# KiCad board led_mapper_850.kicad_pcb (continued)
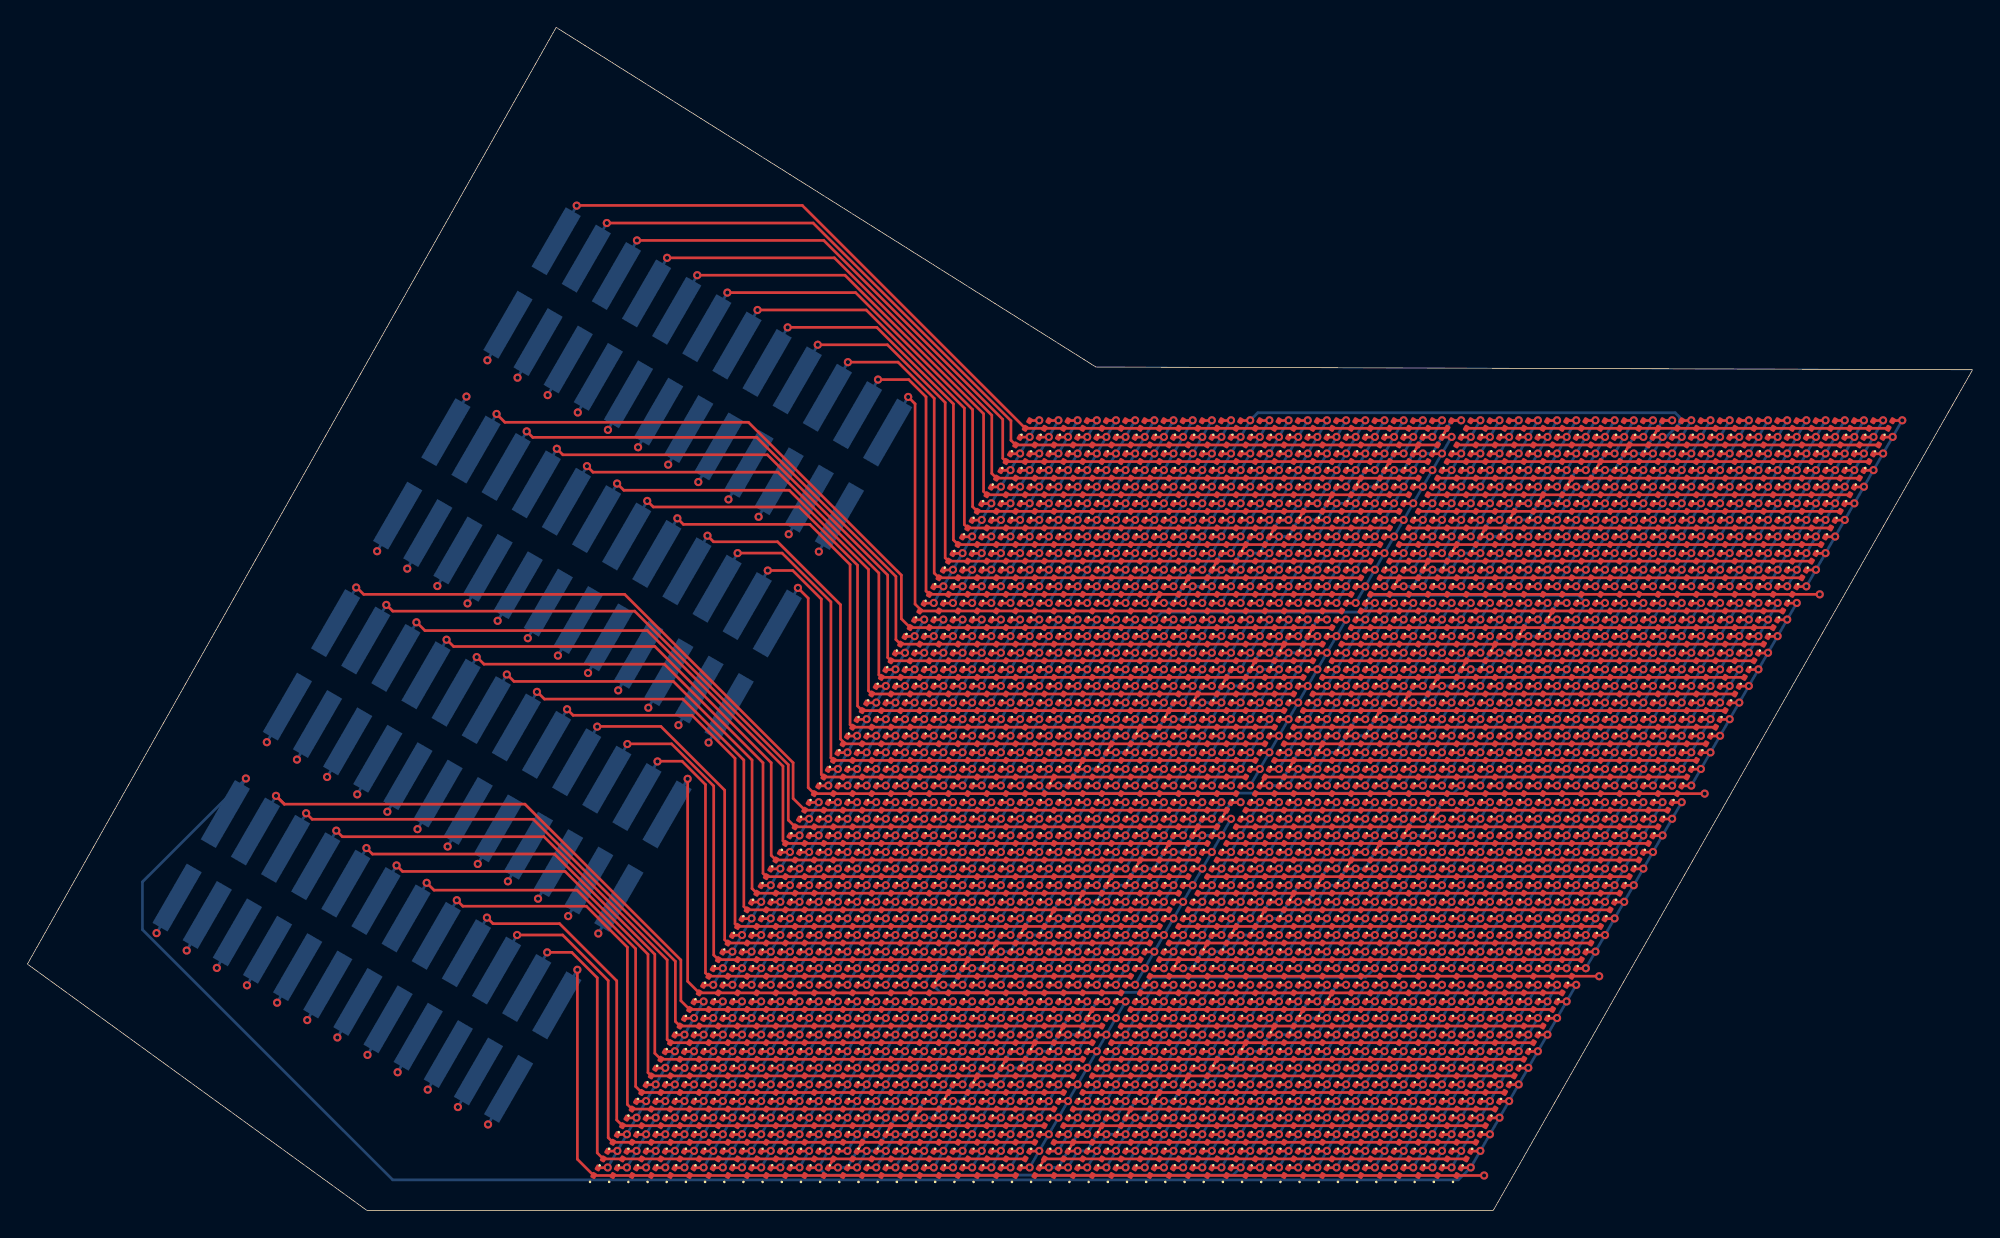
[diagram p0: board, top side]
## Routing (per net, layer and track width the routed paths; a pad name or vN(x,y) marks a point on that pad's centre or on a via; arc(x,y) is an arc through that point) (continued)
/network1/P05: length 141.1
  Top w0.2: v1(104.66,48.01) D395.2 D349.1 ; D304.2 v1(107.46,50.43) ; D465.2 v1(72.46,45.58) ; D189.2 v1(76.66,52.86) ; D212.2 v1(108.86,52.86) ; D74.2 v1(110.96,56.5) ; D143.2 v1(77.36,54.07) ; D120.2 v1(110.26,55.28) ; D487.2 v1(103.26,45.58) ; D28.2 v1(111.66,57.71) ; D327.2 v1(74.56,49.22) ; D373.2 v1(73.86,48.01) ; D419.2 v1(73.16,46.8) ; D235.2 v1(75.96,51.65) ; D346.1 D368.1 ; D97.2 v1(78.06,55.28) ; D258.2 v1(108.16,51.65) ; D166.2 v1(109.56,54.07) ; D511.2 v1(71.76,44.37) ; D281.2 v1(75.26,50.43) ; D51.2 v1(78.76,56.5) ; D5.2 v1(79.46,57.71) ; D441.2 v1(103.96,46.8)
  In1.Cu w0.2: v1(76.66,52.86) 77.01,53.47 108.51,53.47 v1(108.86,52.86) ; v1(71.76,44.37) 71.2,44.37 70.21,45.36 70.21,45.87 69.51,46.57 69.51,47.08 68.81,47.78 68.81,48.24 63.85,53.2 v1(48.98,53.2)
  Bottom w0.2: v1(111.66,57.71) v1(107.46,50.43) 106.76,50.43 105.36,48.01 v1(104.66,48.01) v1(103.26,45.58) ; v1(79.46,57.71) v1(71.76,44.37) ; J1.5 v1(48.98,53.2)
/network1/P06: length 145.5
  Top w0.2: D466.2 v1(73.86,45.58) ; D6.2 v1(80.86,57.71) ; D75.2 v1(112.36,56.5) ; D488.2 v1(104.66,45.58) ; D282.2 v1(76.66,50.43) ; D512.2 v1(73.16,44.37) ; D167.2 v1(110.96,54.07) ; D259.2 v1(109.56,51.65) ; D300.1 D322.1 ; D52.2 v1(80.16,56.5) ; D442.2 v1(105.36,46.8) ; v1(106.76,49.22) D350.2 D304.1 ; D420.2 v1(74.56,46.8) ; D213.2 v1(110.26,52.86) ; D328.2 v1(75.96,49.22) ; D29.2 v1(113.06,57.71) ; D144.2 v1(78.76,54.07) ; D98.2 v1(79.46,55.28) ; D374.2 v1(75.26,48.01) ; D236.2 v1(77.36,51.65) ; D190.2 v1(78.06,52.86) ; D396.2 v1(106.06,48.01) ; D121.2 v1(111.66,55.28)
  In1.Cu w0.2: v1(46.78,54.47) 64.49,54.47 69.51,49.45 69.51,48.99 70.21,48.29 70.21,47.78 70.91,47.08 70.91,46.57 71.61,45.87 71.61,45.36 72.6,44.37 v1(73.16,44.37) ; v1(109.56,51.65) 109.21,52.25 77.71,52.25 v1(77.36,51.65)
  Bottom w0.2: v1(80.86,57.71) v1(73.16,44.37) ; v1(113.06,57.71) v1(109.56,51.65) 108.86,51.65 107.46,49.22 v1(106.76,49.22) v1(104.66,45.58) ; J1.6 v1(46.78,54.47)
/network1/P07: length 148.6
  Top w0.2: D467.2 v1(75.26,45.58) ; D214.2 v1(111.66,52.86) ; D283.2 v1(78.06,50.43) ; v1(108.86,50.43) D305.2 D259.1 ; D30.2 v1(114.46,57.71) ; D99.2 v1(80.86,55.28) ; D53.2 v1(81.56,56.5) ; D254.1 D276.1 ; D168.2 v1(112.36,54.07) ; D397.2 v1(107.46,48.01) ; D122.2 v1(113.06,55.28) ; D421.2 v1(75.96,46.8) ; D7.2 v1(82.26,57.71) ; D489.2 v1(106.06,45.58) ; D443.2 v1(106.76,46.8) ; D237.2 v1(78.76,51.65) ; D191.2 v1(79.46,52.86) ; D375.2 v1(76.66,48.01) ; D513.2 v1(74.56,44.37) ; D329.2 v1(77.36,49.22) ; D351.2 v1(108.16,49.22) ; D76.2 v1(113.76,56.5) ; D145.2 v1(80.16,54.07)
  In1.Cu w0.2: v1(44.58,55.74) 65.46,55.74 70.4,50.8 70.4,50.32 71.2,49.52 71.2,49.01 71.91,48.29 71.91,47.78 72.4,47.3 72.4,46.78 73.01,46.17 73.01,45.59 74.23,44.37 v1(74.56,44.37) ; v1(108.86,50.43) 108.51,51.04 78.41,51.04 v1(78.06,50.43)
  Bottom w0.2: v1(106.06,45.58) v1(108.86,50.43) 109.56,50.43 110.96,52.86 v1(111.66,52.86) v1(114.46,57.71) ; J1.7 v1(44.58,55.74) ; v1(82.26,57.71) v1(74.56,44.37)
/network1/P08: length 152.8
  Top w0.2: D146.2 v1(81.56,54.07) ; v1(110.96,51.65) D260.2 D214.1 ; D31.2 v1(115.86,57.71) ; D192.2 v1(80.86,52.86) ; D284.2 v1(79.46,50.43) ; D306.2 v1(110.26,50.43) ; D490.2 v1(107.46,45.58) ; D468.2 v1(76.66,45.58) ; D444.2 v1(108.16,46.8) ; D398.2 v1(108.86,48.01) ; D330.2 v1(78.76,49.22) ; D238.2 v1(80.16,51.65) ; D54.2 v1(82.96,56.5) ; D169.2 v1(113.76,54.07) ; D8.2 v1(83.66,57.71) ; D376.2 v1(78.06,48.01) ; D77.2 v1(115.16,56.5) ; D208.1 D230.1 ; D100.2 v1(82.26,55.28) ; D352.2 v1(109.56,49.22) ; D422.2 v1(77.36,46.8) ; D123.2 v1(114.46,55.28) ; D514.2 v1(75.96,44.37)
  In1.Cu w0.2: v1(109.56,49.22) 109.21,49.83 79.11,49.83 v1(78.76,49.22) ; v1(42.38,57.01) 65.78,57.01 71.2,51.59 71.2,51.4 71.61,50.99 71.61,50.21 72.45,49.37 72.45,48.8 73.01,48.24 73.01,48 73.8,47.21 73.8,46.78 74.6,45.98 74.6,45.47 75.7,44.37 v1(75.96,44.37)
  Bottom w0.2: J1.8 v1(42.38,57.01) ; v1(115.86,57.71) v1(113.76,54.07) 113.06,54.07 111.66,51.65 v1(110.96,51.65) v1(107.46,45.58) ; v1(83.66,57.71) v1(75.96,44.37)
/network1/P09: length 157.3
  Top w0.2: D399.2 v1(110.26,48.01) ; D331.2 v1(80.16,49.22) ; D469.2 v1(78.06,45.58) ; D445.2 v1(109.56,46.8) ; D147.2 v1(82.96,54.07) ; D423.2 v1(78.76,46.8) ; D124.2 v1(115.86,55.28) ; D515.2 v1(77.36,44.37) ; D307.2 v1(111.66,50.43) ; D162.1 D184.1 ; D285.2 v1(80.86,50.43) ; D32.2 v1(117.26,57.71) ; D377.2 v1(79.46,48.01) ; D239.2 v1(81.56,51.65) ; v1(113.06,52.86) D215.2 D169.1 ; D78.2 v1(116.56,56.5) ; D353.2 v1(110.96,49.22) ; D9.2 v1(85.06,57.71) ; D193.2 v1(82.26,52.86) ; D491.2 v1(108.86,45.58) ; D101.2 v1(83.66,55.28) ; D55.2 v1(84.36,56.5) ; D261.2 v1(112.36,51.65)
  In1.Cu w0.2: v1(110.26,48.01) 109.91,48.62 79.81,48.62 v1(79.46,48.01) ; v1(40.18,58.28) 66.52,58.28 71.91,52.89 71.91,52.63 72.4,52.15 72.4,51.63 73.2,50.83 73.2,50.32 73.8,49.72 73.8,49.21 74.6,48.41 74.6,47.9 75.14,47.36 75.14,46.79 76.11,45.81 76.11,45.36 76.55,44.92 76.81,44.92 v1(77.36,44.37)
  Bottom w0.2: v1(108.86,45.58) v1(113.06,52.86) 113.76,52.86 115.16,55.28 v1(115.86,55.28) v1(117.26,57.71) ; J1.9 v1(40.18,58.28) ; v1(85.06,57.71) v1(77.36,44.37)
/network1/P10: length 162.4
  Top w0.2: v1(115.16,54.07) D170.2 D124.1 ; D378.2 v1(80.86,48.01) ; D492.2 v1(110.26,45.58) ; D470.2 v1(79.46,45.58) ; D262.2 v1(113.76,51.65) ; D286.2 v1(82.26,50.43) ; D446.2 v1(110.96,46.8) ; D10.2 v1(86.46,57.71) ; D400.2 v1(111.66,48.01) ; D332.2 v1(81.56,49.22) ; D240.2 v1(82.96,51.65) ; D116.1 D138.1 ; D308.2 v1(113.06,50.43) ; D216.2 v1(114.46,52.86) ; D354.2 v1(112.36,49.22) ; D516.2 v1(78.76,44.37) ; D102.2 v1(85.06,55.28) ; D424.2 v1(80.16,46.8) ; D148.2 v1(84.36,54.07) ; D33.2 v1(118.66,57.71) ; D56.2 v1(85.76,56.5) ; D79.2 v1(117.96,56.5) ; D194.2 v1(83.66,52.86)
  In1.Cu w0.2: v1(37.98,59.55) 38.56,60.13 66.67,60.13 72.4,54.4 72.4,54.06 73.2,53.26 73.2,52.75 74,51.95 74,51.43 74.6,50.83 74.6,50 75.11,49.49 75.11,49.29 76.11,48.29 76.11,47.78 76.7,47.2 76.7,46.33 77.21,45.81 77.21,45.39 78.23,44.37 v1(78.76,44.37) ; v1(80.16,46.8) 80.51,47.4 110.61,47.4 v1(110.96,46.8)
  Bottom w0.2: v1(86.46,57.71) v1(78.76,44.37) ; v1(118.66,57.71) v1(117.96,56.5) 117.26,56.5 115.86,54.07 v1(115.16,54.07) v1(110.26,45.58) ; J1.10 v1(37.98,59.55)
/network1/P11: length 166.8
  Top w0.2: D103.2 v1(86.46,55.28) ; D401.2 v1(113.06,48.01) ; D517.2 v1(80.16,44.37) ; D263.2 v1(115.16,51.65) ; D287.2 v1(83.66,50.43) ; D195.2 v1(85.06,52.86) ; v1(117.26,55.28) D125.2 D79.1 ; D11.2 v1(87.86,57.71) ; D171.2 v1(116.56,54.07) ; D471.2 v1(80.86,45.58) ; D57.2 v1(87.16,56.5) ; D493.2 v1(111.66,45.58) ; D149.2 v1(85.76,54.07) ; D70.1 D92.1 ; D447.2 v1(112.36,46.8) ; D217.2 v1(115.86,52.86) ; D309.2 v1(114.46,50.43) ; D241.2 v1(84.36,51.65) ; D333.2 v1(82.96,49.22) ; D34.2 v1(120.06,57.71) ; D425.2 v1(81.56,46.8) ; D355.2 v1(113.76,49.22) ; D379.2 v1(82.26,48.01)
  In1.Cu w0.2: v1(35.78,60.82) 36.36,61.4 67.48,61.4 73.01,55.87 73.01,55.19 73.8,54.4 73.8,54.06 74.6,53.26 74.6,52.69 75.41,51.87 75.41,51.42 76.11,50.72 76.11,49.85 76.51,49.45 76.51,49.09 77.21,48.39 77.21,48.08 78.14,47.16 78.14,46.64 78.91,45.87 78.91,45.36 79.9,44.37 v1(80.16,44.37) ; v1(80.86,45.58) 81.21,46.19 111.31,46.19 v1(111.66,45.58)
  Bottom w0.2: v1(120.06,57.71) 119.36,57.71 117.96,55.28 v1(117.26,55.28) v1(111.66,45.58) ; v1(87.86,57.71) v1(80.16,44.37) ; J1.11 v1(35.78,60.82)
/network1/P12: length 202.1
  Top w0.2: D402.2 v1(114.46,48.01) ; D448.2 v1(113.76,46.8) ; D264.2 v1(116.56,51.65) ; D12.2 v1(89.26,57.71) ; D518.2 v1(81.56,44.37) ; D334.2 v1(84.36,49.22) ; D242.2 v1(85.76,51.65) ; D218.2 v1(117.26,52.86) ; D126.2 v1(118.66,55.28) ; D288.2 v1(85.06,50.43) ; D426.2 v1(82.96,46.8) ; D494.2 v1(113.06,45.58) ; D24.1 D46.1 ; D150.2 v1(87.16,54.07) ; D104.2 v1(87.86,55.28) ; D380.2 v1(83.66,48.01) ; D172.2 v1(117.96,54.07) ; D58.2 v1(88.56,56.5) ; v1(119.36,56.5) D80.2 D34.1 ; D310.2 v1(115.86,50.43) ; D196.2 v1(86.46,52.86) ; D356.2 v1(115.16,49.22) ; D472.2 v1(82.26,45.58)
  In1.Cu w0.2: v1(81.56,44.37) 81.3,44.37 80.31,45.36 80.31,45.87 79.61,46.57 79.61,47.08 78.61,48.08 78.61,48.59 78.21,48.99 78.21,49.51 77.51,50.21 77.51,50.72 76.81,51.42 76.81,51.93 76.11,52.63 76.11,53.14 75.41,53.84 75.41,54.3 74.65,55.06 74.65,55.63 74.01,56.27 74.01,56.59 67.93,62.67 34.16,62.67 v1(33.58,62.09) ; v1(113.06,45.58) 112.71,44.98 82.61,44.98 v1(82.26,45.58)
  Bottom w0.2: v1(113.06,45.58) v1(119.36,56.5) 119.63,56.5 120.61,57.48 120.61,57.94 120.29,58.26 89.81,58.26 v1(89.26,57.71) v1(81.56,44.37) ; J1.12 v1(33.58,62.09)
/network1/P13: length 152.1
  Top w0.2: D449.2 v1(115.16,46.8) ; D105.2 v1(89.26,55.28) ; D529.1 65.3,43.79 64.8,44.29 64.8,58.91 v1(64.3,59.41) ; D403.2 v1(115.86,48.01) ; D265.2 v1(117.96,51.65) ; D173.2 v1(119.36,54.07) ; D151.2 v1(88.56,54.07) ; D381.2 v1(85.06,48.01) ; D59.2 v1(89.96,56.5) ; D289.2 v1(86.46,50.43) ; D335.2 v1(85.76,49.22) ; D357.2 v1(116.56,49.22) ; D127.2 v1(120.06,55.28) ; D473.2 v1(83.66,45.58) ; D81.2 v1(120.76,56.5) ; D197.2 v1(87.86,52.86) ; D495.2 v1(114.46,45.58) ; D219.2 v1(118.66,52.86) ; D13.2 v1(90.66,57.71) ; D311.2 v1(117.26,50.43) ; D427.2 v1(84.36,46.8) ; D243.2 v1(87.16,51.65) ; D35.2 v1(121.46,57.71)
  In2.Cu w0.2: v1(121.46,57.71) 120.91,58.26 91.21,58.26 v1(90.66,57.71) 90,57.05 66.66,57.05 66.66,57.05 v1(64.3,59.41) 64.3,59.41
  Bottom w0.2: v1(90.66,57.71) v1(83.66,45.58) ; v1(121.46,57.71) v1(114.46,45.58) ; J1.13 v1(64.3,59.41)
/network1/P14: length 130.9
  Top w0.2: D404.2 v1(117.26,48.01) ; D198.2 v1(89.26,52.86) ; D106.2 v1(90.66,55.28) ; D450.2 v1(116.56,46.8) ; D473.1 D519.2 v1(82.96,44.37) ; D266.2 v1(119.36,51.65) ; D358.2 v1(117.96,49.22) ; D312.2 v1(118.66,50.43) ; D336.2 v1(87.16,49.22) ; D290.2 v1(87.86,50.43) ; D174.2 v1(120.76,54.07) ; D14.2 v1(92.06,57.71) ; D220.2 v1(120.06,52.86) ; D483.1 D461.1 65.6,45.24 65.6,59.42 64.33,60.68 v1(62.1,60.68) ; D152.2 v1(89.96,54.07) ; D428.2 v1(85.76,46.8) ; D36.2 v1(122.86,57.71) ; D60.2 v1(91.36,56.5) ; D496.2 v1(115.86,45.58) ; D382.2 v1(86.46,48.01) ; D244.2 v1(88.56,51.65) ; D128.2 v1(121.46,55.28) ; D82.2 v1(122.16,56.5)
  In2.Cu w0.2: v1(122.16,56.5) 121.81,57.1 91.71,57.1 v1(91.36,56.5)
  Bottom w0.2: v1(122.86,57.71) v1(115.86,45.58) ; J1.14 v1(62.1,60.68) ; v1(82.96,44.37) 83.66,44.37 85.06,46.8 v1(85.76,46.8) v1(92.06,57.71)
/network1/P15: length 133
  Top w0.2: D405.2 v1(118.66,48.01) ; D451.2 v1(117.96,46.8) ; v1(59.9,61.95) 63.56,61.95 66.2,59.31 66.2,46.55 D415.1 D437.1 ; D61.2 v1(92.76,56.5) ; D129.2 v1(122.86,55.28) ; D383.2 v1(87.86,48.01) ; D221.2 v1(121.46,52.86) ; D520.2 v1(84.36,44.37) ; D107.2 v1(92.06,55.28) ; D291.2 v1(89.26,50.43) ; D313.2 v1(120.06,50.43) ; D83.2 v1(123.56,56.5) ; D37.2 v1(124.26,57.71) ; D175.2 v1(122.16,54.07) ; D153.2 v1(91.36,54.07) ; D428.1 D474.2 v1(85.06,45.58) ; D267.2 v1(120.76,51.65) ; D199.2 v1(90.66,52.86) ; D359.2 v1(119.36,49.22) ; D497.2 v1(117.26,45.58) ; D245.2 v1(89.96,51.65) ; D15.2 v1(93.46,57.71) ; D337.2 v1(88.56,49.22)
  In2.Cu w0.2: v1(92.06,55.28) 92.41,55.89 122.51,55.89 v1(122.86,55.28)
  Bottom w0.2: J1.15 v1(59.9,61.95) ; v1(84.36,44.37) v1(85.06,45.58) 85.76,45.58 87.16,48.01 v1(87.86,48.01) v1(93.46,57.71) ; v1(124.26,57.71) v1(117.26,45.58)
/network1/P16: length 135.1
  Top w0.2: D452.2 v1(119.36,46.8) ; D200.2 v1(92.06,52.86) ; D268.2 v1(122.16,51.65) ; D62.2 v1(94.16,56.5) ; D292.2 v1(90.66,50.43) ; D154.2 v1(92.76,54.07) ; D38.2 v1(125.66,57.71) ; D391.1 D369.1 67,47.66 67,59.01 62.78,63.22 v1(57.7,63.22) ; D475.2 v1(86.46,45.58) ; D314.2 v1(121.46,50.43) ; D108.2 v1(93.46,55.28) ; D246.2 v1(91.36,51.65) ; D498.2 v1(118.66,45.58) ; D383.1 D429.2 v1(87.16,46.8) ; D84.2 v1(124.96,56.5) ; D338.2 v1(89.96,49.22) ; D130.2 v1(124.26,55.28) ; D360.2 v1(120.76,49.22) ; D521.2 v1(85.76,44.37) ; D406.2 v1(120.06,48.01) ; D16.2 v1(94.86,57.71) ; D222.2 v1(122.86,52.86) ; D176.2 v1(123.56,54.07)
  In2.Cu w0.2: v1(92.76,54.07) 93.11,54.68 123.21,54.68 v1(123.56,54.07)
  Bottom w0.2: v1(94.86,57.71) v1(89.96,49.22) 89.26,49.22 87.86,46.8 v1(87.16,46.8) v1(85.76,44.37) ; J1.16 v1(57.7,63.22) ; v1(125.66,57.71) v1(118.66,45.58)
/network1/P17: length 137.2
  Top w0.2: D476.2 v1(87.86,45.58) ; D315.2 v1(122.86,50.43) ; D131.2 v1(125.66,55.28) ; D247.2 v1(92.76,51.65) ; D293.2 v1(92.06,50.43) ; D361.2 v1(122.16,49.22) ; D39.2 v1(127.06,57.71) ; D430.2 v1(88.56,46.8) ; v1(89.26,48.01) D384.2 D338.1 ; D453.2 v1(120.76,46.8) ; D223.2 v1(124.26,52.86) ; D17.2 v1(96.26,57.71) ; D63.2 v1(95.56,56.5) ; D269.2 v1(123.56,51.65) ; D177.2 v1(124.96,54.07) ; v1(55.5,64.49) 62.01,64.49 67.6,58.9 67.6,48.98 D323.1 D345.1 ; D109.2 v1(94.86,55.28) ; D201.2 v1(93.46,52.86) ; D499.2 v1(120.06,45.58) ; D155.2 v1(94.16,54.07) ; D85.2 v1(126.36,56.5) ; D522.2 v1(87.16,44.37) ; D407.2 v1(121.46,48.01)
  In2.Cu w0.2: v1(93.46,52.86) 93.81,53.47 123.91,53.47 v1(124.26,52.86)
  Bottom w0.2: v1(127.06,57.71) v1(120.06,45.58) ; J1.17 v1(55.5,64.49) ; v1(87.16,44.37) v1(89.26,48.01) 89.96,48.01 91.36,50.43 v1(92.06,50.43) v1(96.26,57.71)
/network1/P18: length 139.3
  Top w0.2: D156.2 v1(95.56,54.07) ; D362.2 v1(123.56,49.22) ; D224.2 v1(125.66,52.86) ; D431.2 v1(89.96,46.8) ; D86.2 v1(127.76,56.5) ; D270.2 v1(124.96,51.65) ; D18.2 v1(97.66,57.71) ; D64.2 v1(96.96,56.5) ; D178.2 v1(126.36,54.07) ; D523.2 v1(88.56,44.37) ; D385.2 v1(90.66,48.01) ; D40.2 v1(128.46,57.71) ; D202.2 v1(94.86,52.86) ; D500.2 v1(121.46,45.58) ; D110.2 v1(96.26,55.28) ; D248.2 v1(94.16,51.65) ; D299.1 D277.1 68.4,50.09 68.4,58.6 61.23,65.76 v1(53.3,65.76) ; v1(91.36,49.22) D339.2 D293.1 ; D454.2 v1(122.16,46.8) ; D477.2 v1(89.26,45.58) ; D316.2 v1(124.26,50.43) ; D408.2 v1(122.86,48.01) ; D132.2 v1(127.06,55.28)
  In2.Cu w0.2: v1(124.96,51.65) 124.61,51.04 94.51,51.04 v1(94.16,51.65)
  Bottom w0.2: J1.18 v1(53.3,65.76) ; v1(88.56,44.37) v1(91.36,49.22) 92.06,49.22 93.46,51.65 v1(94.16,51.65) v1(97.66,57.71) ; v1(128.46,57.71) v1(121.46,45.58)
/network1/P19: length 141.4
  Top w0.2: D409.2 v1(124.26,48.01) ; D248.1 D294.2 v1(93.46,50.43) ; D225.2 v1(127.06,52.86) ; D386.2 v1(92.06,48.01) ; D65.2 v1(98.36,56.5) ; D524.2 v1(89.96,44.37) ; D340.2 v1(92.76,49.22) ; D253.1 D231.1 69,51.4 69,58.49 60.46,67.03 v1(51.1,67.03) ; D111.2 v1(97.66,55.28) ; D317.2 v1(125.66,50.43) ; D478.2 v1(90.66,45.58) ; D19.2 v1(99.06,57.71) ; D271.2 v1(126.36,51.65) ; D455.2 v1(123.56,46.8) ; D432.2 v1(91.36,46.8) ; D363.2 v1(124.96,49.22) ; D179.2 v1(127.76,54.07) ; D41.2 v1(129.86,57.71) ; D133.2 v1(128.46,55.28) ; D501.2 v1(122.86,45.58) ; D203.2 v1(96.26,52.86) ; D87.2 v1(129.16,56.5) ; D157.2 v1(96.96,54.07)
  In2.Cu w0.2: v1(127.06,52.86) 126.71,52.25 96.61,52.25 v1(96.26,52.86)
  Bottom w0.2: v1(89.96,44.37) v1(93.46,50.43) 94.16,50.43 95.56,52.86 v1(96.26,52.86) v1(99.06,57.71) ; v1(129.86,57.71) v1(122.86,45.58) ; J1.19 v1(51.1,67.03)
/network1/P20: length 144.9
  Top w0.2: D456.2 v1(124.96,46.8) ; D387.2 v1(93.46,48.01) ; D433.2 v1(92.76,46.8) ; v1(95.56,51.65) D249.2 D203.1 ; D20.2 v1(100.46,57.71) ; D364.2 v1(126.36,49.22) ; D134.2 v1(129.86,55.28) ; D341.2 v1(94.16,49.22) ; v1(48.9,68.3) 59.68,68.3 69.8,58.19 69.8,52.51 D185.1 D207.1 ; D66.2 v1(99.76,56.5) ; D479.2 v1(92.06,45.58) ; D158.2 v1(98.36,54.07) ; D112.2 v1(99.06,55.28) ; D295.2 v1(94.86,50.43) ; D272.2 v1(127.76,51.65) ; D318.2 v1(127.06,50.43) ; D226.2 v1(128.46,52.86) ; D502.2 v1(124.26,45.58) ; D410.2 v1(125.66,48.01) ; D180.2 v1(129.16,54.07) ; D525.2 v1(91.36,44.37) ; D88.2 v1(130.56,56.5) ; D42.2 v1(131.26,57.71)
  In2.Cu w0.2: v1(94.86,50.43) 95.21,49.83 126.71,49.83 v1(127.06,50.43)
  Bottom w0.2: v1(131.26,57.71) v1(124.26,45.58) ; v1(100.46,57.71) v1(98.36,54.07) 97.66,54.07 96.26,51.65 v1(95.56,51.65) v1(91.36,44.37) ; J1.20 v1(48.9,68.3)
/network1/P21: length 147
  Top w0.2: D319.2 v1(128.46,50.43) ; D503.2 v1(125.66,45.58) ; D67.2 v1(101.16,56.5) ; D434.2 v1(94.16,46.8) ; D113.2 v1(100.46,55.28) ; D21.2 v1(101.86,57.71) ; D250.2 v1(96.96,51.65) ; D89.2 v1(131.96,56.5) ; D135.2 v1(131.26,55.28) ; D181.2 v1(130.56,54.07) ; D526.2 v1(92.76,44.37) ; D161.1 D139.1 70.4,53.83 70.4,58.08 58.91,69.57 v1(46.7,69.57) ; D388.2 v1(94.86,48.01) ; D43.2 v1(132.66,57.71) ; D296.2 v1(96.26,50.43) ; D411.2 v1(127.06,48.01) ; D480.2 v1(93.46,45.58) ; D457.2 v1(126.36,46.8) ; D273.2 v1(129.16,51.65) ; D342.2 v1(95.56,49.22) ; D365.2 v1(127.76,49.22) ; D227.2 v1(129.86,52.86) ; v1(97.66,52.86) D204.2 D158.1
  In2.Cu w0.2: v1(127.76,49.22) 127.41,48.62 95.91,48.62 v1(95.56,49.22)
  Bottom w0.2: v1(132.66,57.71) v1(125.66,45.58) ; J1.21 v1(46.7,69.57) ; v1(92.76,44.37) v1(97.66,52.86) 98.36,52.86 99.76,55.28 v1(100.46,55.28) v1(101.86,57.71)
/network1/P22: length 149.1
  Top w0.2: D504.2 v1(127.06,45.58) ; D251.2 v1(98.36,51.65) ; D458.2 v1(127.76,46.8) ; D527.2 v1(94.16,44.37) ; D412.2 v1(128.46,48.01) ; D481.2 v1(94.86,45.58) ; D22.2 v1(103.26,57.71) ; D68.2 v1(102.56,56.5) ; D136.2 v1(132.66,55.28) ; D90.2 v1(133.36,56.5) ; D228.2 v1(131.26,52.86) ; D113.1 D159.2 v1(99.76,54.07) ; D115.1 D93.1 71.2,54.94 71.2,57.78 58.13,70.84 v1(44.5,70.84) ; D435.2 v1(95.56,46.8) ; D297.2 v1(97.66,50.43) ; D182.2 v1(131.96,54.07) ; D389.2 v1(96.26,48.01) ; D44.2 v1(134.06,57.71) ; D274.2 v1(130.56,51.65) ; D205.2 v1(99.06,52.86) ; D343.2 v1(96.96,49.22) ; D366.2 v1(129.16,49.22) ; D320.2 v1(129.86,50.43)
  In2.Cu w0.2: v1(128.46,48.01) 128.11,47.4 96.61,47.4 v1(96.26,48.01)
  Bottom w0.2: v1(134.06,57.71) v1(127.06,45.58) ; J1.22 v1(44.5,70.84) ; v1(94.16,44.37) v1(99.76,54.07) 100.46,54.07 101.86,56.5 v1(102.56,56.5) v1(103.26,57.71)
/network1/P23: length 151.2
  Top w0.2: v1(101.86,55.28) D114.2 D68.1 ; D505.2 v1(128.46,45.58) ; D321.2 v1(131.26,50.43) ; D91.2 v1(134.76,56.5) ; v1(42.3,72.11) 57.36,72.11 71.8,57.67 71.8,56.25 D47.1 D69.1 ; D390.2 v1(97.66,48.01) ; D413.2 v1(129.86,48.01) ; D206.2 v1(100.46,52.86) ; D45.2 v1(135.46,57.71) ; D229.2 v1(132.66,52.86) ; D252.2 v1(99.76,51.65) ; D23.2 v1(104.66,57.71) ; D137.2 v1(134.06,55.28) ; D528.2 v1(95.56,44.37) ; D459.2 v1(129.16,46.8) ; D482.2 v1(96.26,45.58) ; D183.2 v1(133.36,54.07) ; D367.2 v1(130.56,49.22) ; D436.2 v1(96.96,46.8) ; D275.2 v1(131.96,51.65) ; D344.2 v1(98.36,49.22) ; D298.2 v1(99.06,50.43) ; D160.2 v1(101.16,54.07)
  In2.Cu w0.2: v1(129.16,46.8) 128.81,46.19 97.31,46.19 v1(96.96,46.8)
  Bottom w0.2: v1(135.46,57.71) v1(128.46,45.58) ; J1.23 v1(42.3,72.11) ; v1(95.56,44.37) v1(101.86,55.28) 102.56,55.28 103.96,57.71 v1(104.66,57.71)
/network1/P24: length 150.5
  Top w0.2: D345.2 v1(99.76,49.22) ; D529.2 v1(96.96,44.37) ; v1(40.1,73.38) 40.12,73.4 56.57,73.4 72.84,57.13 D1.1 D23.1 D69.2 v1(103.96,56.5) ; D46.2 v1(136.86,57.71) ; D391.2 v1(99.06,48.01) ; D483.2 v1(97.66,45.58) ; D230.2 v1(134.06,52.86) ; D322.2 v1(132.66,50.43) ; D368.2 v1(131.96,49.22) ; D161.2 v1(102.56,54.07) ; D506.2 v1(129.86,45.58) ; D138.2 v1(135.46,55.28) ; D207.2 v1(101.86,52.86) ; D92.2 v1(136.16,56.5) ; D276.2 v1(133.36,51.65) ; D414.2 v1(131.26,48.01) ; D115.2 v1(103.26,55.28) ; D253.2 v1(101.16,51.65) ; D460.2 v1(130.56,46.8) ; D299.2 v1(100.46,50.43) ; D184.2 v1(134.76,54.07) ; D437.2 v1(98.36,46.8)
  In2.Cu w0.2: v1(129.86,45.58) 129.51,44.98 98.01,44.98 v1(97.66,45.58)
  Bottom w0.2: J1.24 v1(40.1,73.38) 40.12,73.4 ; v1(103.96,56.5) v1(96.96,44.37) ; v1(136.86,57.71) v1(129.86,45.58)
/network2/P01: length 153.4
  Top w0.2: D760.2 v1(124.96,37.1) ; D875.2 v1(94.16,39.52) ; D921.2 v1(94.86,40.74) ; D737.2 v1(92.06,35.89) ; D622.2 v1(122.86,33.46) ; D783.2 v1(92.76,37.1) ; D852.2 v1(126.36,39.52) ; D990.2 v1(128.46,43.16) ; D576.2 v1(122.16,32.25) ; D898.2 v1(127.06,40.74) ; D944.2 v1(127.76,41.95) ; D829.2 v1(93.46,38.31) ; D806.2 v1(125.66,38.31) ; D1013.2 v1(96.26,43.16) ; D967.2 v1(95.56,41.95) ; D1036.2 v1(129.16,44.37) ; D714.2 v1(124.26,35.89) ; D599.2 v1(89.96,32.25) ; D691.2 v1(91.36,34.67) ; D645.2 v1(90.66,33.46) ; D530.2 v1(121.46,31.04) ; D553.2 v1(89.26,31.04) ; D668.2 v1(123.56,34.67)
  In2.Cu w0.2: v1(32.05,59.44) 47.69,43.8 81.2,43.8 81.71,43.29 81.71,42.89 82.41,42.19 82.41,41.66 82.81,41.26 82.81,40.59 83.8,39.6 83.8,38.95 84.51,38.24 84.51,37.73 85.2,37.04 85.2,36.6 85.8,36 85.8,35.42 86.6,34.62 86.6,34.1 87.2,33.5 87.2,33 88,32.2 88,32.03 89,31.04 v1(89.26,31.04) 89.61,30.43 121.11,30.43 v1(121.46,31.04)
  Bottom w0.2: v1(89.26,31.04) v1(96.26,43.16) ; J2.1 v1(32.05,59.44) ; v1(121.46,31.04) v1(129.16,44.37)
/network2/P02: length 149.5
  Top w0.2: D692.2 v1(89.96,34.67) ; D600.2 v1(88.56,32.25) ; v1(94.16,41.95) D968.2 D1014.1 ; D715.2 v1(122.86,35.89) ; D623.2 v1(121.46,33.46) ; D738.2 v1(90.66,35.89) ; D830.2 v1(92.06,38.31) ; D577.2 v1(120.76,32.25) ; D784.2 v1(91.36,37.1) ; D899.2 v1(125.66,40.74) ; D1037.2 v1(127.76,44.37) ; D1013.1 D1035.1 63.8,43.21 63.8,46.4 52.64,57.56 34.86,57.56 v1(34.25,58.17) ; D554.2 v1(87.86,31.04) ; D669.2 v1(122.16,34.67) ; D922.2 v1(93.46,40.74) ; D945.2 v1(126.36,41.95) ; D531.2 v1(120.06,31.04) ; D807.2 v1(124.26,38.31) ; D761.2 v1(123.56,37.1) ; D991.2 v1(127.06,43.16) ; D876.2 v1(92.76,39.52) ; D646.2 v1(89.26,33.46) ; D853.2 v1(124.96,39.52)
  In2.Cu w0.2: v1(120.76,32.25) 120.41,31.64 88.91,31.64 v1(88.56,32.25)
  Bottom w0.2: v1(120.06,31.04) v1(127.76,44.37) ; v1(87.86,31.04) v1(94.16,41.95) ; J2.2 v1(34.25,58.17)
/network2/P03: length 150.2
  Top w0.2: D555.2 v1(86.46,31.04) ; D900.2 v1(124.26,40.74) ; D601.2 v1(87.16,32.25) ; D739.2 v1(89.26,35.89) ; D762.2 v1(122.16,37.1) ; D1014.2 v1(94.86,43.16) ; D578.2 v1(119.36,32.25) ; D624.2 v1(120.06,33.46) ; D785.2 v1(89.96,37.1) ; D647.2 v1(87.86,33.46) ; D946.2 v1(124.96,41.95) ; D716.2 v1(121.46,35.89) ; D808.2 v1(122.86,38.31) ; D992.2 v1(125.66,43.16) ; D532.2 v1(118.66,31.04) ; D831.2 v1(90.66,38.31) ; D1038.2 v1(126.36,44.37) ; D854.2 v1(123.56,39.52) ; D693.2 v1(88.56,34.67) ; D967.1 D989.1 63.4,41.7 63.4,46.31 53.24,56.46 36.89,56.46 v1(36.45,56.9) ; D969.1 D923.2 v1(92.06,40.74) ; D877.2 v1(91.36,39.52) ; D670.2 v1(120.76,34.67)
  In2.Cu w0.2: v1(87.86,33.46) 88.21,32.85 119.71,32.85 v1(120.06,33.46)
  Bottom w0.2: v1(118.66,31.04) v1(126.36,44.37) ; J2.3 v1(36.45,56.9) ; v1(86.46,31.04) v1(92.06,40.74) 92.76,40.74 94.16,43.16 v1(94.86,43.16)
/network2/P04: length 148.1
  Top w0.2: v1(38.65,55.63) 39.09,55.19 54.02,55.19 62.8,46.41 62.8,40.39 D943.1 D921.1 ; D671.2 v1(119.36,34.67) ; D924.1 D878.2 v1(89.96,39.52) ; D625.2 v1(118.66,33.46) ; D832.2 v1(89.26,38.31) ; D969.2 v1(92.76,41.95) ; D947.2 v1(123.56,41.95) ; D993.2 v1(124.26,43.16) ; D809.2 v1(121.46,38.31) ; D855.2 v1(122.16,39.52) ; D602.2 v1(85.76,32.25) ; D1039.2 v1(124.96,44.37) ; D1015.2 v1(93.46,43.16) ; D533.2 v1(117.26,31.04) ; D786.2 v1(88.56,37.1) ; D740.2 v1(87.86,35.89) ; D901.2 v1(122.86,40.74) ; D717.2 v1(120.06,35.89) ; D694.2 v1(87.16,34.67) ; D763.2 v1(120.76,37.1) ; D556.2 v1(85.06,31.04) ; D648.2 v1(86.46,33.46) ; D579.2 v1(117.96,32.25)
  In2.Cu w0.2: v1(87.16,34.67) 87.51,34.07 119.01,34.07 v1(119.36,34.67)
  Bottom w0.2: 37.15,53.03 v1(38.65,55.63) ; v1(117.26,31.04) v1(124.96,44.37) ; v1(85.06,31.04) v1(89.96,39.52) 90.66,39.52 92.06,41.95 v1(92.76,41.95) v1(93.46,43.16)
/network2/P05: length 146
  Top w0.2: D764.2 v1(119.36,37.1) ; D741.2 v1(86.46,35.89) ; D649.2 v1(85.06,33.46) ; D603.2 v1(84.36,32.25) ; D787.2 v1(87.16,37.1) ; D626.2 v1(117.26,33.46) ; D534.2 v1(115.86,31.04) ; D948.2 v1(122.16,41.95) ; D879.1 D833.2 v1(87.86,38.31) ; D856.2 v1(120.76,39.52) ; v1(40.85,54.36) 41.29,53.92 54.79,53.92 62.16,46.56 62.16,39.12 D897.1 D875.1 ; D924.2 v1(90.66,40.74) ; D580.2 v1(116.56,32.25) ; D1040.2 v1(123.56,44.37) ; D970.2 v1(91.36,41.95) ; D672.2 v1(117.96,34.67) ; D1016.2 v1(92.06,43.16) ; D718.2 v1(118.66,35.89) ; D994.2 v1(122.86,43.16) ; D695.2 v1(85.76,34.67) ; D810.2 v1(120.06,38.31) ; D902.2 v1(121.46,40.74) ; D557.2 v1(83.66,31.04)
  In2.Cu w0.2: v1(118.66,35.89) 118.31,35.28 86.81,35.28 v1(86.46,35.89)
  Bottom w0.2: v1(83.66,31.04) v1(87.86,38.31) 88.56,38.31 89.96,40.74 v1(90.66,40.74) v1(92.06,43.16) ; J2.5 v1(40.85,54.36) ; v1(115.86,31.04) v1(123.56,44.37)
/network2/P06: length 143.9
  Top w0.2: D1041.2 v1(122.16,44.37) ; D535.2 v1(114.46,31.04) ; D1017.2 v1(90.66,43.16) ; D627.2 v1(115.86,33.46) ; D949.2 v1(120.76,41.95) ; D811.2 v1(118.66,38.31) ; D829.1 D851.1 61.4,37.96 61.4,46.82 55.62,52.6 43.54,52.6 v1(43.05,53.09) ; D971.2 v1(89.96,41.95) ; D719.2 v1(117.26,35.89) ; D604.2 v1(82.96,32.25) ; D558.2 v1(82.26,31.04) ; D903.2 v1(120.06,40.74) ; D925.2 v1(89.26,40.74) ; D857.2 v1(119.36,39.52) ; v1(85.76,37.1) D788.2 D834.1 ; D673.2 v1(116.56,34.67) ; D696.2 v1(84.36,34.67) ; D650.2 v1(83.66,33.46) ; D765.2 v1(117.96,37.1) ; D995.2 v1(121.46,43.16) ; D581.2 v1(115.16,32.25) ; D742.2 v1(85.06,35.89) ; D879.2 v1(88.56,39.52)
  In2.Cu w0.2: v1(117.96,37.1) 117.61,36.49 86.11,36.49 v1(85.76,37.1)
  Bottom w0.2: v1(114.46,31.04) v1(122.16,44.37) ; 41.55,50.49 v1(43.05,53.09) ; v1(82.26,31.04) v1(85.76,37.1) 86.46,37.1 87.86,39.52 v1(88.56,39.52) v1(90.66,43.16)
/network2/P07: length 140.4
  Top w0.2: D766.2 v1(116.56,37.1) ; D697.2 v1(82.96,34.67) ; D582.2 v1(113.76,32.25) ; D812.2 v1(117.26,38.31) ; D1042.2 v1(120.76,44.37) ; D536.2 v1(113.06,31.04) ; D720.2 v1(115.86,35.89) ; D834.2 v1(86.46,38.31) ; D605.2 v1(81.56,32.25) ; D1018.2 v1(89.26,43.16) ; v1(83.66,35.89) D743.2 D789.1 ; D972.2 v1(88.56,41.95) ; D858.2 v1(117.96,39.52) ; D950.2 v1(119.36,41.95) ; D904.2 v1(118.66,40.74) ; D559.2 v1(80.86,31.04) ; D783.1 D805.1 60.6,36.85 60.6,47.13 56.34,51.38 45.69,51.38 v1(45.25,51.82) ; D651.2 v1(82.26,33.46) ; D996.2 v1(120.06,43.16) ; D880.2 v1(87.16,39.52) ; D628.2 v1(114.46,33.46) ; D674.2 v1(115.16,34.67) ; D926.2 v1(87.86,40.74)